# Altium PCB GameBoard_V1I1.PcbDoc (part 14 of 22)
Units mil, origin at the board's own origin, x right, y up, seen from the top; angles counter-clockwise.
Board outline 7165.35 x 2814.96 mil, 12 copper layers (L1, L2, L3, L4, L5 (PWR), L6 (PWR), L7 (PWR), L8 (PWR), L9, L10, L11, L12), stack 61.575 mil thick; 1551 components, 1072 nets, 5467 pads, 3785 vias.
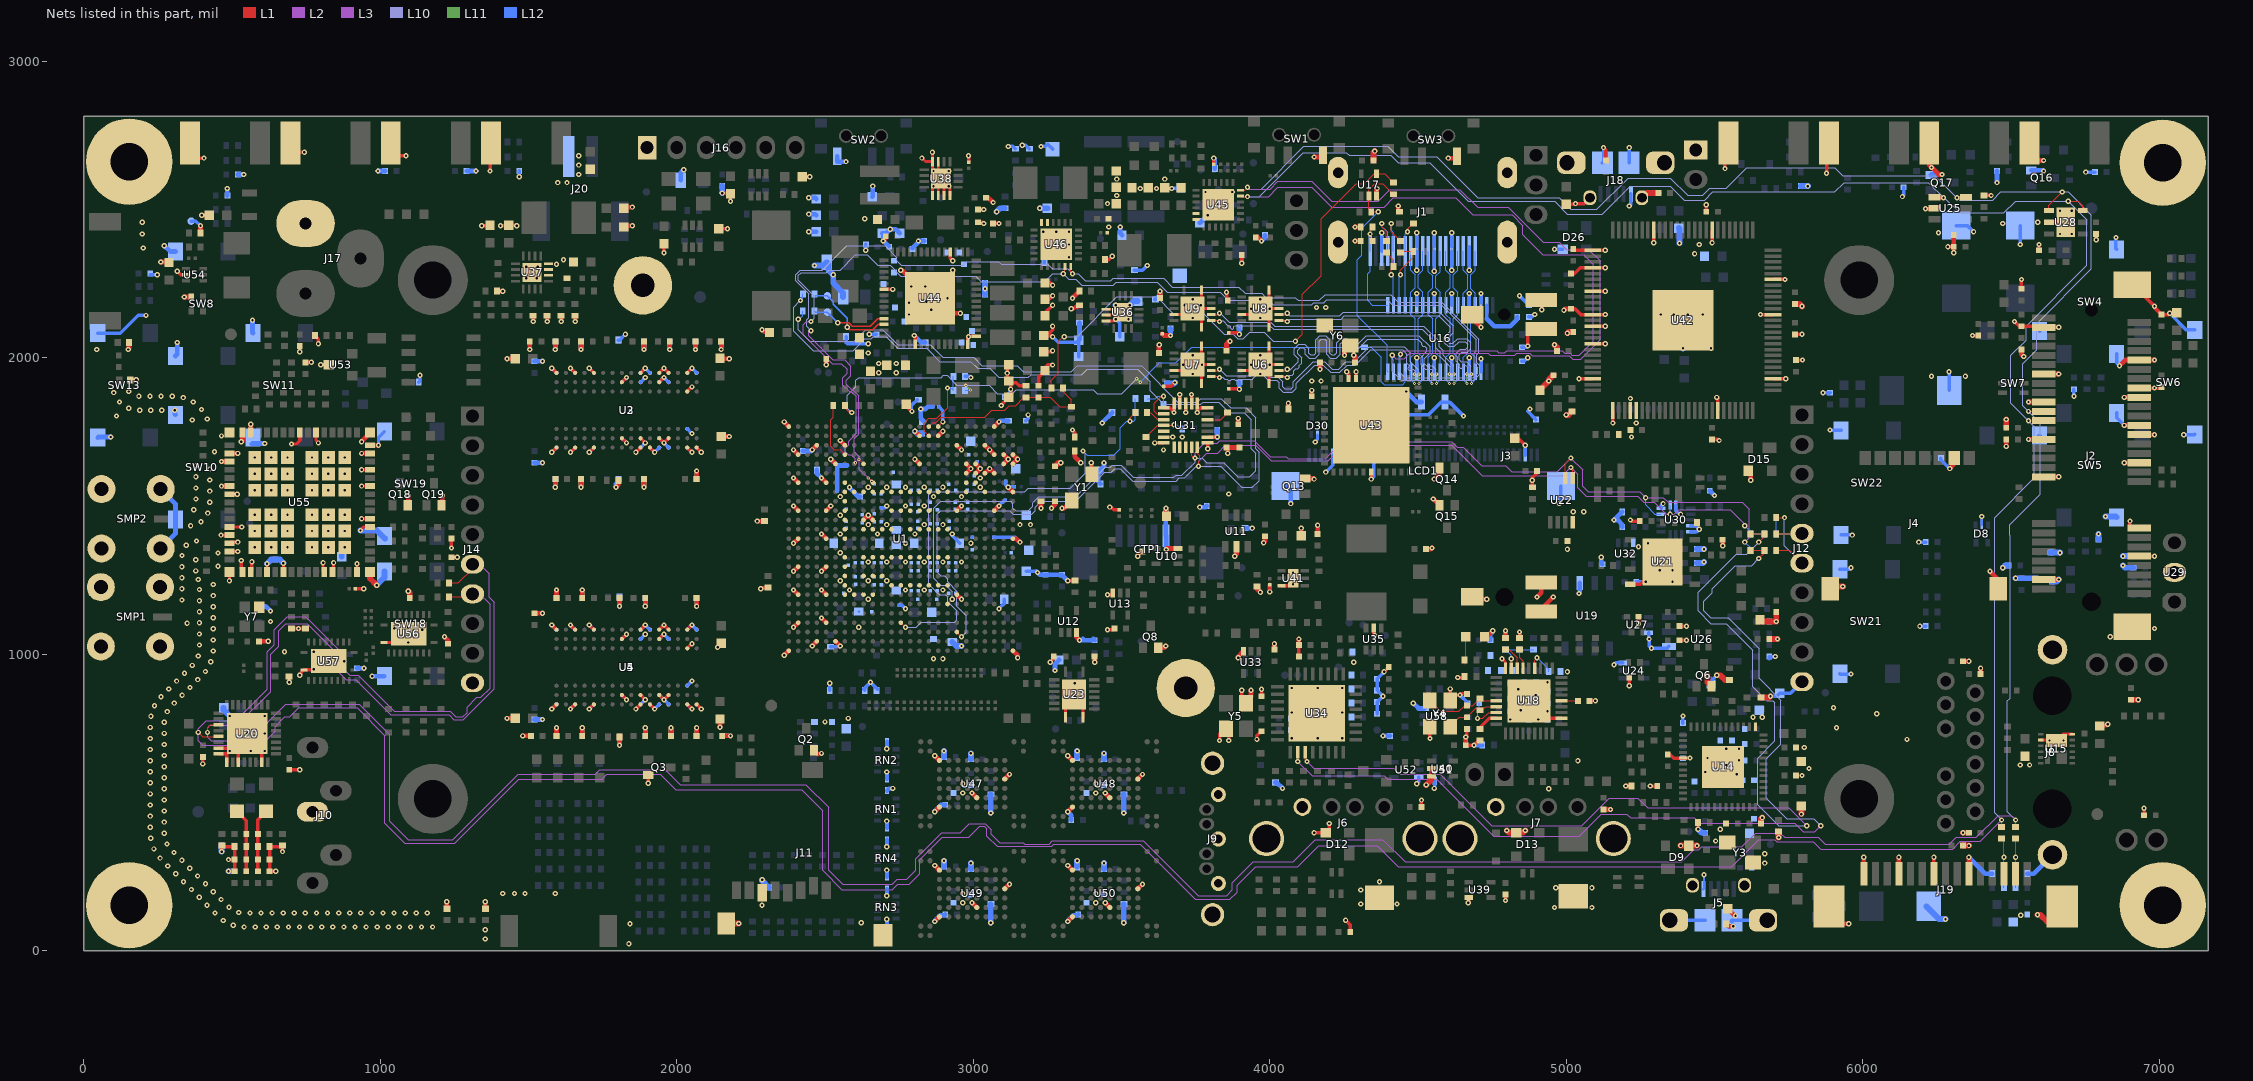
[diagram p24: the nets of this part, all layers, seen from the top]

## Via types
v1: diameter 17.72, hole 7.87, L1 to L12, 1935 vias
v2: diameter 17.72, hole 7.87, L1 to L12, tented both sides, 995 vias
v3: diameter 10.63, hole 3.94, L1 to L2, 334 vias
v4: diameter 11.81, hole 3.94, L2 to L3, 334 vias
v5: diameter 10.63, hole 3.94, L11 to L12, 94 vias
v6: diameter 11.81, hole 3.94, L10 to L11, 93 vias

## Nets (pads, with @x,y where several pads share a name; then routed paths per layer and width w, separated by ;. In a path a pad name is that pad's centre, name@x,y a point inside that pad or via, vN(x,y) a via of type N, cw(c..) or ccw(c..) an arc to the next point about the centre after c; other vN are vias at no path point) (continued)
GND: (continued)
  L12 w15.75: SW13.2@47.24,1730.31 49.21,1732.28 v1(90.55,1732.28) ; SMP2.2@259.45,1356.69 309.06,1406.3 SW10.2@309.06,1454.72 309.06,1507.09 SMP2.3@259.45,1556.69 ; v1(271.65,2377.95) 291.34,2358.27 SW8.1@309.06,2358.27 ; v1(307.09,1822.83) 307.09,1809.06 SW10.1@309.06,1807.09 ; SW8.2@309.06,2005.91 314.96,2011.81 v1@314.96,2047.24 ; C405.2@484.25,2547.24 v1(484.25,2570.87) ; C409.2@519.69,2618.11 v1(539.37,2618.11) ; R201.2@539.37,673.23 v1(562.99,673.23) ; SW11.2@566.93,1708.66 568.9,1710.63 v1(610.24,1710.63) ; v1(568.9,2125.98) 568.9,2084.65 SW11.1@570.87,2082.68 ; C271.2@583.58,673.39 583.74,673.23 v1(610.24,673.23) ; C269.2@583.58,783.62 602.52,783.62 v1(610.24,791.34) ; R676.1@590.55,1161.42 614.17,1161.42 v1(629.92,1145.67) ; C532.2@858.27,1000 858.27,996.06 v1(877.95,976.38) ; C531.1@921.26,952.76 v1(944.88,952.76) ; v1(972.44,925.2) SW18.2@1013.78,925.2 ; v1(992.13,2629.92) C408.2@1015.75,2629.92 ; C401.2@1291.34,2629.92 v1(1322.83,2629.92) ; C40.2@1519.69,779.53 v2(1547.24,779.53) ; C49.2@1519.69,1645.67 v2(1547.24,1645.67) ; C35.2@1519.69,1988.19 v2(1547.24,1988.19) ; v2(1590.55,1562.99) C58.2@1590.55,1590.55 ; v2(1590.55,2027.56) C50.2@1590.55,2055.12 ; C48.2@1594.49,724.41 v2(1594.49,751.97) ; C41.2@1594.49,1188.98 v2(1594.49,1216.54) ; v2(1677.17,1562.99) C57.2@1677.17,1590.55 ; v2(1677.17,2027.56) C51.2@1677.17,2055.12 ; C47.2@1681.1,724.41 v2(1681.1,751.97) ; C42.2@1681.1,1188.98 v2(1681.1,1216.54) ; v2(1795.28,1562.99) 1795.28,1574.8 C55.2@1803.15,1582.68 ; v2(1807.09,1161.42) R7.1@1807.09,1192.91 ; v2(1889.76,1562.99) C4.2@1889.76,1590.55 ; v2(1889.76,2027.56) C3.2@1889.76,2055.12 ; C8.2@1893.7,724.41 v2(1893.7,751.97) ; v2(1893.7,1161.42) C9.2@1893.7,1188.98 ; v2(1976.38,2027.56) C52.2@1976.38,2055.12 ; C46.2@1980.32,724.41 v2(1980.32,751.97) ; C299.2@2013.78,2598.43 2013.78,2624.02 v1(2023.62,2633.86) ; v2(2062.99,2027.56) C53.2@2062.99,2055.12 ; C45.2@2066.93,724.41 v2(2066.93,751.97) ; v2(2066.93,1161.42) C43.2@2066.93,1188.98 ; C56.2@2066.93,1590.55 v2(2066.93,1618.11) ; v2(2149.61,2027.56) C54.2@2149.61,2055.12 ; C44.2@2153.54,724.41 v2(2181.1,724.41) ; C5.2@2425.2,1685.04 2452.76,1685.04 v2(2456.69,1688.98) ; v1(2444.88,2425.2) C353.2@2470.47,2425.2 ; v1(2444.88,2484.25) 2466.54,2484.25 C354.2@2470.47,2480.31 ; v1(2444.88,2539.37) 2466.54,2539.37 C352.2@2470.47,2535.43 ; R4.1@2472.44,1622.05 2472.44,1610.24 v2(2488.19,1594.49) ; v2(2519.68,1657.48) 2540.75,1636.42 ; C180.2@2540.75,1551.18 2540.75,1636.42 ; SW2.1@2541.34,2679.13 2541.34,2661.42 v1(2570.87,2661.42) ; C84.2@2574.8,1636.42 2540.75,1636.42 ; v2(2582.68,1562.99) 2582.68,1560.73 2611.91,1531.5 C83.2@2618.11,1531.5 ; C445.2@2659.45,2543.31 2661.42,2545.28 v1(2661.42,2578.74) ; C430.2@2714.42,2376.13 v2(2696.85,2393.7) 2696.85,2415.35 C446.2@2692.91,2419.29 2706.69,2419.29 v1(2720.47,2433.07) 2738.19,2433.07 C443.2@2751.97,2419.29 ; C428.2@2795.28,2370.08 2814.96,2389.76 v2(2814.96,2393.7) C423.2@2834.65,2393.7 ; v2(2801.18,2074.8) 2824.8,2051.18 C434.2@2838.58,2051.18 ; C72.2@2834.65,1783.46 2822.83,1795.28 v1(2822.83,1826.77) 2838.58,1826.77 2846.46,1834.65 R28.1@2863.58,1834.65 ; v1(2866.14,2578.74) 2866.14,2580.71 C350.2@2891.73,2606.3 ; v1(2866.14,2629.92) 2868.11,2629.92 C350.2@2891.73,2606.3 ; v2(2870.08,98.43) 2870.08,100.69 2888.48,119.09 2902.56,119.09 C511.2@2905.51,122.05 ; v2(2870.08,468.5) 2870.08,470.77 2891.44,492.13 C500.2@2905.51,492.13 ; v1(2917.32,2578.74) 2917.32,2580.71 C350.2@2891.73,2606.3 ; v1(2917.32,2629.92) 2915.35,2629.92 C350.2@2891.73,2606.3 ; v2(3086.61,1783.47) 3090.55,1787.4 R15.1@3118.11,1787.4 ; v2@3212.6,1279.53 3224.41,1267.72 C92.2@3244.09,1267.72 C100.2@3291.34,1267.72 ; v1(3275.59,944.88) 3275.59,966.54 C167.2@3289.37,980.31 ; C100.2@3299.21,1267.72 v1(3318.9,1248.03) ; v2(3318.9,98.43) 3318.9,100.69 3337.3,119.09 3351.38,119.09 C516.2@3354.33,122.05 ; v2(3318.9,468.5) 3330.71,456.69 C504.2@3330.71,440.94 ; C340.2@3356.3,2059.06 3358.27,2061.02 R300.1@3358.27,2118.11 ; v1(3358.27,1047.24) v1@3366.14,1047.24 ; 3370.08,1051.18 v1@3366.14,1047.24 ; C169.2@3409.45,1047.24 3405.51,1051.18 3401.57,1047.24 v1@3366.14,1047.24 ; R85.1@3429.13,1574.8 3421.26,1582.68 3421.26,1606.3 R86.1@3428.15,1613.19 ; v1(3435.04,1779.53) 3435.04,1781.5 R440.1@3468.5,1814.96 ; v1(3440.94,1645.67) 3440.94,1633.86 R86.1@3429.13,1622.05 ; v1(3496.06,2440.94) 3496.06,2419.29 C488.2@3501.97,2413.39 ; R298.1@3614.17,2196.85 3629.92,2212.6 v2(3629.92,2224.41) ; v1(3650,1492) 3650,1472.83 C385.2@3649.61,1472.44 CTP1.2@3649.61,1399.61 3650.59,1398.62 v1(3650.59,1353.35) ; v2(3665.35,2074.8) C85.2@3665.35,2098.43 ; v1(3763.78,1496.06) 3783.46,1496.06 C99.2@3787.4,1500 ; C479.2@3763.78,2454.72 3765.75,2454.72 v1(3791.34,2480.31) ; v1(3811.02,2673.23) 3814.96,2669.29 R479.1@3814.96,2637.8 ; v1(3826.77,2515.75) C477.2@3850.39,2515.75 ; v2(3897.64,1893.7) C77.2@3897.64,1917.32 ; v2(3897.64,2078.74) C81.2@3897.64,2102.36 ; R95.1@3917.32,1425.2 v1(3940.94,1425.2) ; v1(3972.44,2393.7) 3984.25,2405.51 C482.2@3984.25,2413.39 ; R283.1@4019.69,566.93 4023.62,566.93 v1(4043.31,547.24) ; LCD1.42@4053.15,1566.93 4070.87,1549.21 v1(4070.87,1507.87) ; v1(4381.89,724.41) C521.1@4405.51,724.41 ; v1(4484.25,834.65) 4501.97,816.93 U58.3@4520.67,816.93 ; C520.1@4661.42,692.91 v1(4661.42,720.47) ; v1(4688.98,692.91) R326.1@4716.54,692.91 ; C242.2@4744.09,1047.24 4744.09,1066.93 4751.97,1074.8 v1(4751.97,1078.74) ; v1(5043.31,1204.72) 5045.87,1207.28 U19.6@5045.87,1240.16 ; v1(5118.11,1326.77) 5118.11,1307.09 C261.2@5122.05,1303.15 ; C323.2@5188.98,1429.13 5188.98,1437.01 5173.23,1452.76 v1(5161.42,1452.76) R267.2@5188.98,1480.31 ; C324.2@5484.25,1551.18 v1(5500,1535.43) ; Q17.2@6230.31,2616.14 6232.28,2618.11 v1(6267.72,2618.11) ; v1(6358.27,314.96) 6413.39,259.84 R459.1@6437.01,259.84 ; v1(6452.76,2590.55) C406.2@6452.76,2629.92 ; R458.1@6555.12,259.84 6576.59,259.84 J8.18@6640.04,323.29 ; v1(6559.06,1724.41) 6583.66,1724.41 SW7.1@6596.46,1737.2 ; Q16.2@6568.9,2631.89 6608.27,2631.89 v1(6610.24,2629.92) ; R86.1@3428.15,1613.19 3429.13,1614.17 3429.13,1618.11 R86.1@3429.13,1622.05 ; R86.1@3428.15,1613.19 3428.15,1622.05 R86.1@3429.13,1622.05
  L12 w17.72: v2(3059.05,94.49) R503.1@3059.06,157.48 ; v2(3059.05,464.57) R498.1@3059.06,527.56 ; v2(3507.87,94.49) R505.1@3507.87,157.48 ; v2(3507.87,464.57) R501.1@3507.87,527.56
  L12 w19.68: C281.2@464.57,354.33 464.57,334.96 v2(465.47,334.06) ; C268.2@471.65,819.33 471.65,811.81 v1(492.13,791.34) ; v2(488.19,267.72) C283.2@507.87,267.72 ; v1(618.11,1305.12) 631.89,1318.9 C527.1@645.67,1318.9 661.42,1318.9 v1(673.23,1307.09) ; C525.1@870.08,1328.74 870.08,1350.39 v1(879.92,1360.24) ; v1(933.07,1417.32) 988.19,1417.32 SW19.2@1015.75,1389.76 ; v1(988.19,1232.28) 988.19,1233.27 1013.78,1258.86 SW18.1@1013.78,1278.54 ; v1(2153.54,2555.12) C300.2@2153.54,2578.74 ; v2(2287.99,238.78) 2287.99,235.63 C284.2@2311.02,212.6 ; v1(2464.57,2311.02) 2495.08,2311.02 C456.2@2505.91,2321.85 2511.81,2315.94 2511.81,2295.28 v1(2527.56,2279.53) 2527.56,2251.97 2561.02,2218.5 C470.2@2561.02,2204.72 ; v2(2803.15,1751.97) 2811.02,1744.09 C75.2@2826.77,1744.09 ; C510.2@2901.57,283.46 v2(2901.57,303.15) ; C501.2@2901.57,653.54 v2(2901.57,673.23) ; C141.2@2929.13,1041.34 2942.91,1027.56 v1(2960.63,1027.56) ; C509.2@2992.13,275.59 v2(2992.13,295.28) ; C502.2@2992.13,645.67 v2(2992.13,665.35) ; C461.2@3039.37,2212.6 v2(3039.37,2232.28) C464.2@3039.37,2251.97 ; v1(3078.74,2492.13) 3090.55,2503.94 R485.1@3106.3,2503.94 ; v1(3224.41,2503.94) C498.2@3250,2503.94 ; C515.2@3350.39,283.46 v2(3350.39,303.15) ; C506.2@3350.39,653.54 v2(3350.39,673.23) ; C514.2@3440.94,275.59 v2(3440.94,295.28) ; C505.2@3440.94,645.67 v2(3440.94,665.35) ; v1(3480.31,2177.17) 3484.25,2173.23 R302.1@3503.94,2173.23 3523.62,2173.23 v1(3527.56,2177.17) 3541.34,2190.94 C338.2@3555.12,2190.94 ; C79.2@3653.54,1913.39 3677.17,1913.39 v2(3680.12,1916.34) ; v1(3822.83,1732.28) C319.2@3822.83,1755.91 ; v1(5314.96,1283.46) R265.1@5314.96,1307.09 ; C382.2@5330.71,2053.15 5372.05,2053.15 v1(5393.7,2031.5) ; v1(5358.27,1283.46) C320.2@5358.27,1314.96 ; C371.2@5379.92,2437.01 5381.89,2435.04 v1(5381.89,2385.83) ; C315.2@5440.94,1307.09 5460.63,1307.09 v1(5464.57,1311.02) ; C316.2@5440.94,1354.33 v1(5464.57,1354.33) ; v1(5444.88,409.45) 5456.69,397.64 C195.2@5468.5,397.64 ; C413.2@5791.34,2578.74 v1(5814.96,2578.74) ; C357.2@6214.57,149.61 6257.87,106.3 v1(6279.53,106.3) ; v1(6472.44,1291.34) 6480.31,1299.21 C226.2@6492.13,1299.21 ; v1(6515.75,1255.91) C231.2@6535.43,1255.91 C235.2@6582.68,1255.91 ; C238.2@6633.86,1342.52 v1(6665.35,1342.52) ; C229.2@6637.8,1244.09 6653.54,1244.09 v1(6661.42,1251.97) ; C398.2@6795.28,1385.83 v1(6795.28,1405.51) ; v1(6818.9,1464.57) 6853.35,1464.57 SW5.1@6856.3,1461.61 ; v1(6877.95,1299.21) 6885.83,1291.34 C311.2@6913.39,1291.34 ; v1(6877.95,1330.71) C310.2@6913.39,1330.71
  other v1: 1838.58,23.62 1354.33,39.37 1354.33,70.87 540.71,79.86 578.11,79.86 615.51,79.86 652.91,79.86 690.31,79.86 727.71,79.86 765.11,79.86 802.52,79.86 839.92,79.86 877.32,79.86 914.72,79.86 952.12,79.86 989.52,79.86 1026.92,79.86 1064.33,79.86 1101.73,79.86 1139.13,79.86 1176.53,79.86 503.73,85.49 1842.52,90.55 470.15,101.97 6533.46,119.09 442.26,126.88 560.32,126.84 597.72,126.84 635.12,126.84 672.52,126.84 709.92,126.84 747.33,126.84 784.73,126.84 822.13,126.84 859.53,126.84 896.93,126.84 934.33,126.84 971.74,126.84 1009.14,126.84 1046.54,126.84 1083.94,126.84 1121.34,126.84 1158.74,126.84 522.97,128.87 4960.63,145.67 5086.61,145.67 489.8,146.15 415.81,153.33 2287.4,153.54 4307.09,157.48 4429.13,157.48 463.17,172.41 389.37,179.78 1413.39,192.91 1452.76,192.91 1488.19,192.91 1590.55,192.91 436.72,198.86 4307.09,204.72 362.92,206.22 4964.57,212.6 5086.61,212.6 410.28,225.31 336.47,232.67 4370.08,232.28 383.83,251.75 310.03,259.12 357.38,278.2 283.58,285.57 5669.29,295.28 330.93,304.65 257.37,312.25 5669.29,326.77 304.49,331.09 236.46,343.26 280.64,359.9 5503.94,370.08 225.8,379.11 271.52,396.18 5519.69,409.45 224.54,416.49 271.52,433.58 224.54,453.89 271.52,470.98 224.54,491.29 271.52,508.38 224.54,528.69 271.52,545.78 4940.94,546.26 224.54,566.1 271.52,583.18 5795.28,590.55 5574.8,594.49 5468.5,602.36 224.54,603.5 5818.9,614.17 271.52,620.59 5539.37,625.98 6531.5,625.98 6562.99,625.98 224.54,640.9 5039.37,640.75 5582.68,641.73 5476.38,649.61 271.52,657.99 224.54,678.3 5539.37,681.1 5582.68,681.1 5803.15,685.04 271.52,695.39 6629.92,708.66 6677.17,708.66 6149.61,712.6 224.54,715.7 4074.8,716.54 4161.42,716.54 4244.09,716.54 271.52,732.79 610.24,732.28 5911.42,751.97 224.54,753.1 271.4,770.19 4811.02,779.53 4905.51,779.53 5629.92,787.4 5661.42,787.4 226.37,790.46 6047.24,799.44 4074.8,803.15 4161.42,803.15 4244.09,803.15 281.1,806.31 4937.01,807.09 4846.46,811.02 5901.57,818.9 238.34,825.9 305.17,834.94 3342.52,854.33 260.22,856.23 331.62,861.39 4897.64,862.2 4838.58,881.89 286.57,882.78 4074.8,885.83 4161.42,885.83 4244.09,885.83 358.06,887.84 3342.52,901.57 4937.01,905.51 313.01,909.22 384.51,914.28 339.46,935.67 5003.94,940.94 410.18,941.48 775.59,948.82 365.91,962.12 4283.46,972.44 428.58,974.05 2866.14,984.25 2897.64,984.25 385.86,993.75 677.17,1007.87 775.59,1007.87 436.37,1010.63 389.9,1030.94 1094.49,1039.37 436.88,1048.03 6834.65,1059.06 389.9,1068.34 1141.73,1082.68 436.88,1085.43 1047.24,1086.61 6984.25,1086.61 1094.49,1090.55 348.44,1104.59 389.9,1105.74 629.92,1110.24 436.88,1122.83 389.9,1143.14 436.88,1160.23 389.9,1180.54 330.84,1183 436.88,1197.63 389.9,1217.94 330.84,1220.4 436.88,1235.03 5358.27,1244.09 385.83,1251.97 330.84,1257.8 4078.74,1275.59 377.82,1280.96 330.84,1295.2 452.39,1296.66 377.82,1318.36 331.08,1332.6 452.39,1341.14 5003.94,1354.33 576.77,1360.24 631.89,1360.24 687.01,1360.24 769.69,1360.24 824.8,1360.24 5244.09,1362.2 345.66,1367.05 5275.59,1374.02 380.14,1381.54 576.77,1415.35 631.89,1415.35 687.01,1415.35 769.69,1415.35 824.8,1415.35 879.92,1415.35 360.32,1433.38 395.43,1446.24 576.77,1470.47 631.89,1470.47 687.01,1470.47 769.69,1470.47 824.8,1470.47 879.92,1470.47 418.35,1475.8 5023.62,1480.31 5059.06,1480.31 370.56,1486.72 425.06,1512.59 378.09,1523.36 3862.2,1540.35 425.06,1550 576.77,1553.15 631.89,1553.15 687.01,1553.15 769.69,1553.15 824.8,1553.15 879.92,1553.15 378.09,1560.76 425.06,1587.4 378.09,1598.16 576.77,1608.27 631.89,1608.27 687.01,1608.27 769.69,1608.27 824.8,1608.27 879.92,1608.27 425.06,1624.8 378.09,1635.56 576.77,1663.39 631.89,1663.39 687.01,1663.39 769.69,1663.39 824.8,1663.39 879.92,1663.39 441.06,1682.78 3641.73,1688.98 3673.23,1732.28 3704.72,1732.28 464.57,1736.22 365.39,1790.04 416.42,1793.27 110.24,1803.15 2793.31,1818.9 188.52,1822.97 225.93,1822.97 263.33,1822.97 397.05,1825.27 4877.95,1826.77 151.71,1829.59 120.66,1850.44 369.41,1850.47 335.12,1865.39 185.79,1869.95 223.19,1869.95 260.59,1869.95 298,1869.95 101.05,1882.29 152.01,1886 4141.73,1921.26 4173.23,1921.26 6232.28,1937.01 6346.46,1937.01 43.31,2027.56 5488.19,2031.5 314.96,2051.18 3523.62,2129.92 5318.9,2145.67 5362.2,2145.67 5409.45,2145.67 5460.63,2145.67 4157.48,2169.29 4188.98,2169.29 1492.13,2267.72 1527.56,2267.72 1492.13,2307.09 1531.5,2307.09 1594.49,2314.96 1618.11,2330.71 5433.07,2350.39 200.79,2370.08 3279.53,2381.89 5448.82,2381.89 196.85,2417.32 6255.91,2421.26 3236.22,2425.2 3279.53,2425.2 3456.69,2440.94 6472.44,2452.76 196.85,2456.69 6590.55,2456.69 2633.86,2468.5 3452.76,2519.68 3484.25,2547.24 3783.46,2559.06 3874.02,2559.06 3562.99,2570.87 3618.11,2570.87 1598.43,2590.55 1629.92,2590.55 3484.25,2602.36 3645.67,2602.36 1669.29,2618.11 1669.29,2649.61 1669.29,2681.1
  other v2: 2622.05,94.49 2964.57,161.42 3413.39,161.42 2964.57,192.91 3413.39,192.91 2964.57,531.5 3413.39,531.5 2964.57,562.99 3413.39,562.99 2500,771.65 2578.74,783.46 2614.17,1090.55 2582.68,1216.54 2771.65,1216.54 2834.65,1216.54 2897.64,1216.54 2551.18,1248.03 2645.67,1248.03 2708.66,1248.03 3216.54,1275.59 2645.67,1311.02 2708.66,1311.02 2771.65,1311.02 2834.65,1311.02 2897.64,1311.02 2960.63,1311.02 2551.18,1342.52 2771.65,1374.02 2992.13,1374.02 2551.18,1405.51 2677.17,1405.51 2803.15,1405.51 2645.67,1437.01 2708.66,1437.01 2834.65,1437.01 2897.64,1437.01 3157.48,1437.01 3192.91,1437.01 2551.18,1468.5 2771.65,1500 2834.65,1500 2551.18,1531.5 2866.14,1531.5 2960.63,1531.5 2645.67,1562.99 2708.66,1562.99 2771.65,1562.99 2834.65,1562.99 2897.64,1562.99 3023.62,1562.99 3023.62,1594.49 5220.47,1732.28 5236.22,1779.53 5216.54,1862.2 3740.16,1944.88 3968.5,1944.88 2681.1,1948.82 2740.16,1948.82 3708.66,1976.38 3937.01,1976.38 2681.1,1980.31 2740.16,1980.31 3740.16,2007.87 3968.5,2007.87 2645.67,2015.75 3626.97,2043.31 2984.25,2070.87 3740.16,2133.86 3968.5,2133.86 2783.46,2145.67 2858.27,2161.42 3937.01,2165.35 3712.6,2177.17 2783.46,2185.04 2842.52,2188.98 3740.16,2196.85 3968.5,2196.85 2913.39,2200.79 2791.34,2240.16 2838.58,2240.16 2931.1,2295.28 6665.35,2417.32 6704.72,2417.32 3322.83,2425.2 6665.35,2496.06 6704.72,2496.06
GNDPAD_OPT: R575.2 U43.45 | length 65.9
  L12 w15.75: v1(4460.63,1885.83) 4496.06,1850.39 R575.2@4511.81,1850.39
GYRO_CS_B: R264.2 U31.17 | length 72.1
  L1 w3.15: U31.17@3790.35,1791.34 3834.65,1791.34 R264.2@3854.33,1811.02
GYRO_INT: R46.1 R256.2 R258.2 U1.N22 | length 1697.8
  L1 w3.15: U1.N22@2755.91,1106.3 v2(2771.65,1090.55) ; v1(3528.54,1785.22) 3528.54,1796.26 R258.2@3547.24,1814.96
  L10 w3.15: v2(2771.65,1090.55) 2807.09,1090.55 2823.82,1107.28 2935.25,1107.28 2943.9,1115.93 2943.9,1146.65 2913.66,1176.89 2913.66,1192.91 2905.79,1200.79 2885.83,1200.79 2850.39,1236.22 2850.39,1537.55 2860.08,1547.24 3173.23,1547.24 3185.04,1559.06 3326.77,1559.06 3377.95,1610.24 3377.95,1677.17 v1(3370.08,1685.04) v1@3371.27,1685.04
  L12 w3.15: v1(3370.08,1685.04) 3384.84,1670.28 3473.43,1670.28 3496.06,1692.91 3496.06,1763.78 3517.51,1785.22 v1(3528.54,1785.22) 3541.94,1785.22 3547.24,1790.52 R46.1@3547.24,1814.96 R256.2@3547.24,1862.2
GYRO_INT1: R258.1 U31.3 | length 65.9
  L1 w3.15: R258.1@3586.61,1814.96 3598.43,1814.96 3622.05,1791.34 U31.3@3642.72,1791.34
GYRO_PWR_CTRL: R254.2 R256.1 U31.2 | length 190.5
  L1 w3.15: v1(3641.73,1870.08) 3633.86,1870.08 3610.24,1846.46 3610.24,1818.9 3618.11,1811.02 U31.2@3642.72,1811.02
  L12 w3.15: R256.1@3586.61,1862.2 3614.17,1862.2 3622.05,1870.08 v1(3641.73,1870.08) R254.2@3641.73,1842.52
GYRO_RST: R266.2 R268.2 U31.4 | length 146.5
  L1 w3.15: R268.2@3582.68,1732.28 3622.05,1771.65 U31.4@3642.72,1771.65 3675.2,1771.65 v1(3677.17,1773.62)
  L12 w3.15: v1(3677.17,1773.62) 3687.01,1773.62 R266.2@3704.72,1755.91
HDMI_CEC: R24.1 U1.W4 | length 199.7
  L1 w3.15: R24.1@2527.56,1838.58 2527.56,1799.21 2519.69,1791.34 2519.69,1700.79 2531.5,1688.98 2551.18,1688.98 U1.W4@2566.93,1673.23
HDMI_CEC_CON: J1.13 R148.2 U16.23 | length 235.8
  L1 w3.15: v1(4464.57,2425.2) 4464.57,2433.07 R148.2@4484.25,2452.76
  L12 w3.15: U16.23@4456.69,2177.17 4456.69,2216.54 ; 4456.69,2216.54 J1.13@4456.69,2308.66 ; J1.13@4456.69,2359.84 4456.69,2417.32 v1(4464.57,2425.2)
HDMI_CEC_IN: R20.1 R24.2 R25.2 U16.16 | length 2315.6
  L1 w3.15: R24.2@2566.93,1838.58 2566.93,1830.71 2582.68,1814.96 v1(2590.55,1814.96)
  L10 w3.15: v1(2590.55,1814.96) 2575.79,1829.72 2575.79,1874.02 2603.35,1901.57 2603.35,1923.44 2612.98,1933.07 2892.51,1933.07 2899.4,1939.96 2911.63,1939.96 2945.09,1906.5 v6(2975.39,1906.5) 3054.13,1906.5 3081.69,1878.94 3132.1,1878.94 3145.88,1892.72 3405.3,1892.72 3419.08,1878.94 3501.05,1878.94 v6(3551.25,1929.13)
  L11 w3.15: v6(2975.39,1906.5) v5(2991.14,1890.75) ; v6(3551.25,1929.13) v5(3563.06,1917.32)
  L12 w3.15: R25.2@2972.44,1889.76 2990.16,1889.76 v5(2991.14,1890.75) ; v5(3563.06,1917.32) 3628.02,1982.28 3683.07,1982.28 3736.22,2035.43 R20.1@4318.9,2035.43 4342.52,2035.43 4376.97,2000.98 4376.97,1918.31 4385.83,1909.45 4447.83,1909.45 4456.69,1918.31 U16.16@4456.69,1952.76
HDMI_CLK_N: J1.12 U7.9 U16.15 U16.24 | length 1441.6
  L1 w3.35: U7.9@3803.15,1937.01 3825.39,1937.01 3829.32,1933.07 v2(3830.71,1933.07)
  L10 w3.35: v2(3830.71,1933.07) 3831.69,1934.06 3841.69,1934.06 3848.19,1927.56 3856.3,1927.56 3860.63,1923.23 3867.72,1923.23 3872.05,1927.56 3879.92,1927.56 3883.66,1923.82 3891.34,1923.82 3895.08,1927.56 3941.34,1927.56 3954.04,1940.26 3954.04,1951.81 3961.58,1959.35 3975.43,1959.35 3982.97,1951.81 3982.97,1936.06 3995.41,1923.62 4023.39,1923.62 4032.28,1914.73 4032.28,1897.01 4045.63,1883.66 4076.42,1883.66 4089.57,1896.81 4089.57,1913.54 4151.12,1975.1 4180.83,1975.1 4205.67,1950.26 4236.89,1950.26 4261.43,1974.8 4288.99,1974.8 4340.56,2026.38 4448.45,2026.38 4462.99,2011.83 4462.99,1982.05 4470.47,1974.57 4470.47,1969.49 4466.54,1965.55 4466.54,1960.63 4469.49,1957.68 4474.41,1957.68 4478.5,1961.77 4483.27,1961.77 4490.55,1954.49 4490.55,1951.07 4489.81,1950.33 4489.81,1946.5 v6(4488.19,1944.88)
  L11 w3.15: v5(4488.19,1913.39) v6(4488.19,1944.88)
  L12 w3.35: J1.12@4476.38,2359.84 4476.38,2294.36 4491.28,2279.46 4491.28,2235.38 4476.38,2220.47 U16.24@4476.38,2177.17 4476.38,2145.67 4491.14,2130.91 4491.14,2015.68 4476.38,2000.92 U16.15@4476.38,1952.76 4476.38,1925.2 v5(4488.19,1913.39)
HDMI_CLK_P: J1.10 U7.10 U16.13 U16.26 | length 1441.8
  L1 w3.35: U7.10@3803.15,1956.69 3825.39,1956.69 3829.32,1960.63 v2(3830.71,1960.63)
  L10 w3.35: v2(3830.71,1960.63) 3852.76,1938.58 3936.77,1938.58 3943.01,1944.82 3943.01,1956.37 3957.01,1970.37 3980,1970.37 3994,1956.37 3994,1940.63 3999.98,1934.65 4027.95,1934.65 4043.31,1919.29 4043.31,1901.57 4050.2,1894.69 4071.85,1894.69 4078.54,1901.38 4078.54,1918.11 4146.56,1986.12 4185.39,1986.12 4210.23,1961.28 4232.32,1961.28 4256.86,1985.83 4284.42,1985.83 4336,2037.4 4453.01,2037.4 4474.02,2016.4 4474.02,1986.61 4501.57,1959.05 4501.57,1951.07 4502.32,1950.33 4502.32,1946.5 v6(4503.94,1944.88)
  L11 w3.15: v5(4503.94,1913.39) v6(4503.94,1944.88)
  L12 w3.35: v5(4503.94,1913.39) 4515.75,1925.2 U16.13@4515.75,1952.76 4515.75,2000.92 4500.98,2015.68 4500.98,2130.91 4515.75,2145.67 U16.26@4515.75,2177.17 4515.75,2220.47 4501.12,2235.1 4501.12,2279.74 4515.75,2294.36 J1.10@4515.75,2359.84
HDMI_D0_N: J1.9 U6.9 U16.12 U16.27 | length 1439.3
  L1 w3.35: U6.9@4031.5,1937.01 4053.73,1937.01 4057.67,1933.07 v2(4059.06,1933.07)
  L10 w3.35: v2(4059.06,1933.07) 4066.93,1940.94 4076.77,1940.94 4081.69,1945.87 4081.69,1955.71 4088.58,1962.6 4094.49,1962.6 4100.39,1968.5 4100.39,1974.41 4107.87,1981.89 4107.87,2000.65 4094.49,2014.04 4094.49,2025.33 4103.02,2033.86 4112.84,2033.86 4120.47,2026.23 4120.47,2011.16 4133.21,1998.43 4154.2,1998.43 4166.93,2011.16 4166.93,2056.1 4173.88,2063.05 4185.06,2063.05 4192.01,2056.1 4192.01,2011.16 4204.75,1998.43 4224.65,1998.43 4237.5,2011.28 4237.5,2046.29 4244.04,2052.83 4255.4,2052.83 4279.23,2029 4296.72,2029 4330.71,2062.99 4498.45,2062.99 4512.23,2049.21 4512.23,2042.89 4516.32,2038.8 4522.64,2038.8 4529.92,2031.52 4529.92,2021.01 4510.53,2001.62 4510.53,1975.43 4524.24,1961.72 4544.34,1961.72 4549.02,1957.05 4549.02,1950.48 4548.86,1950.33 4548.86,1946.5 v6(4547.24,1944.88)